# Altium PCB FMC_SDR_XFE.PcbDoc (part 1 of 4) (continued)
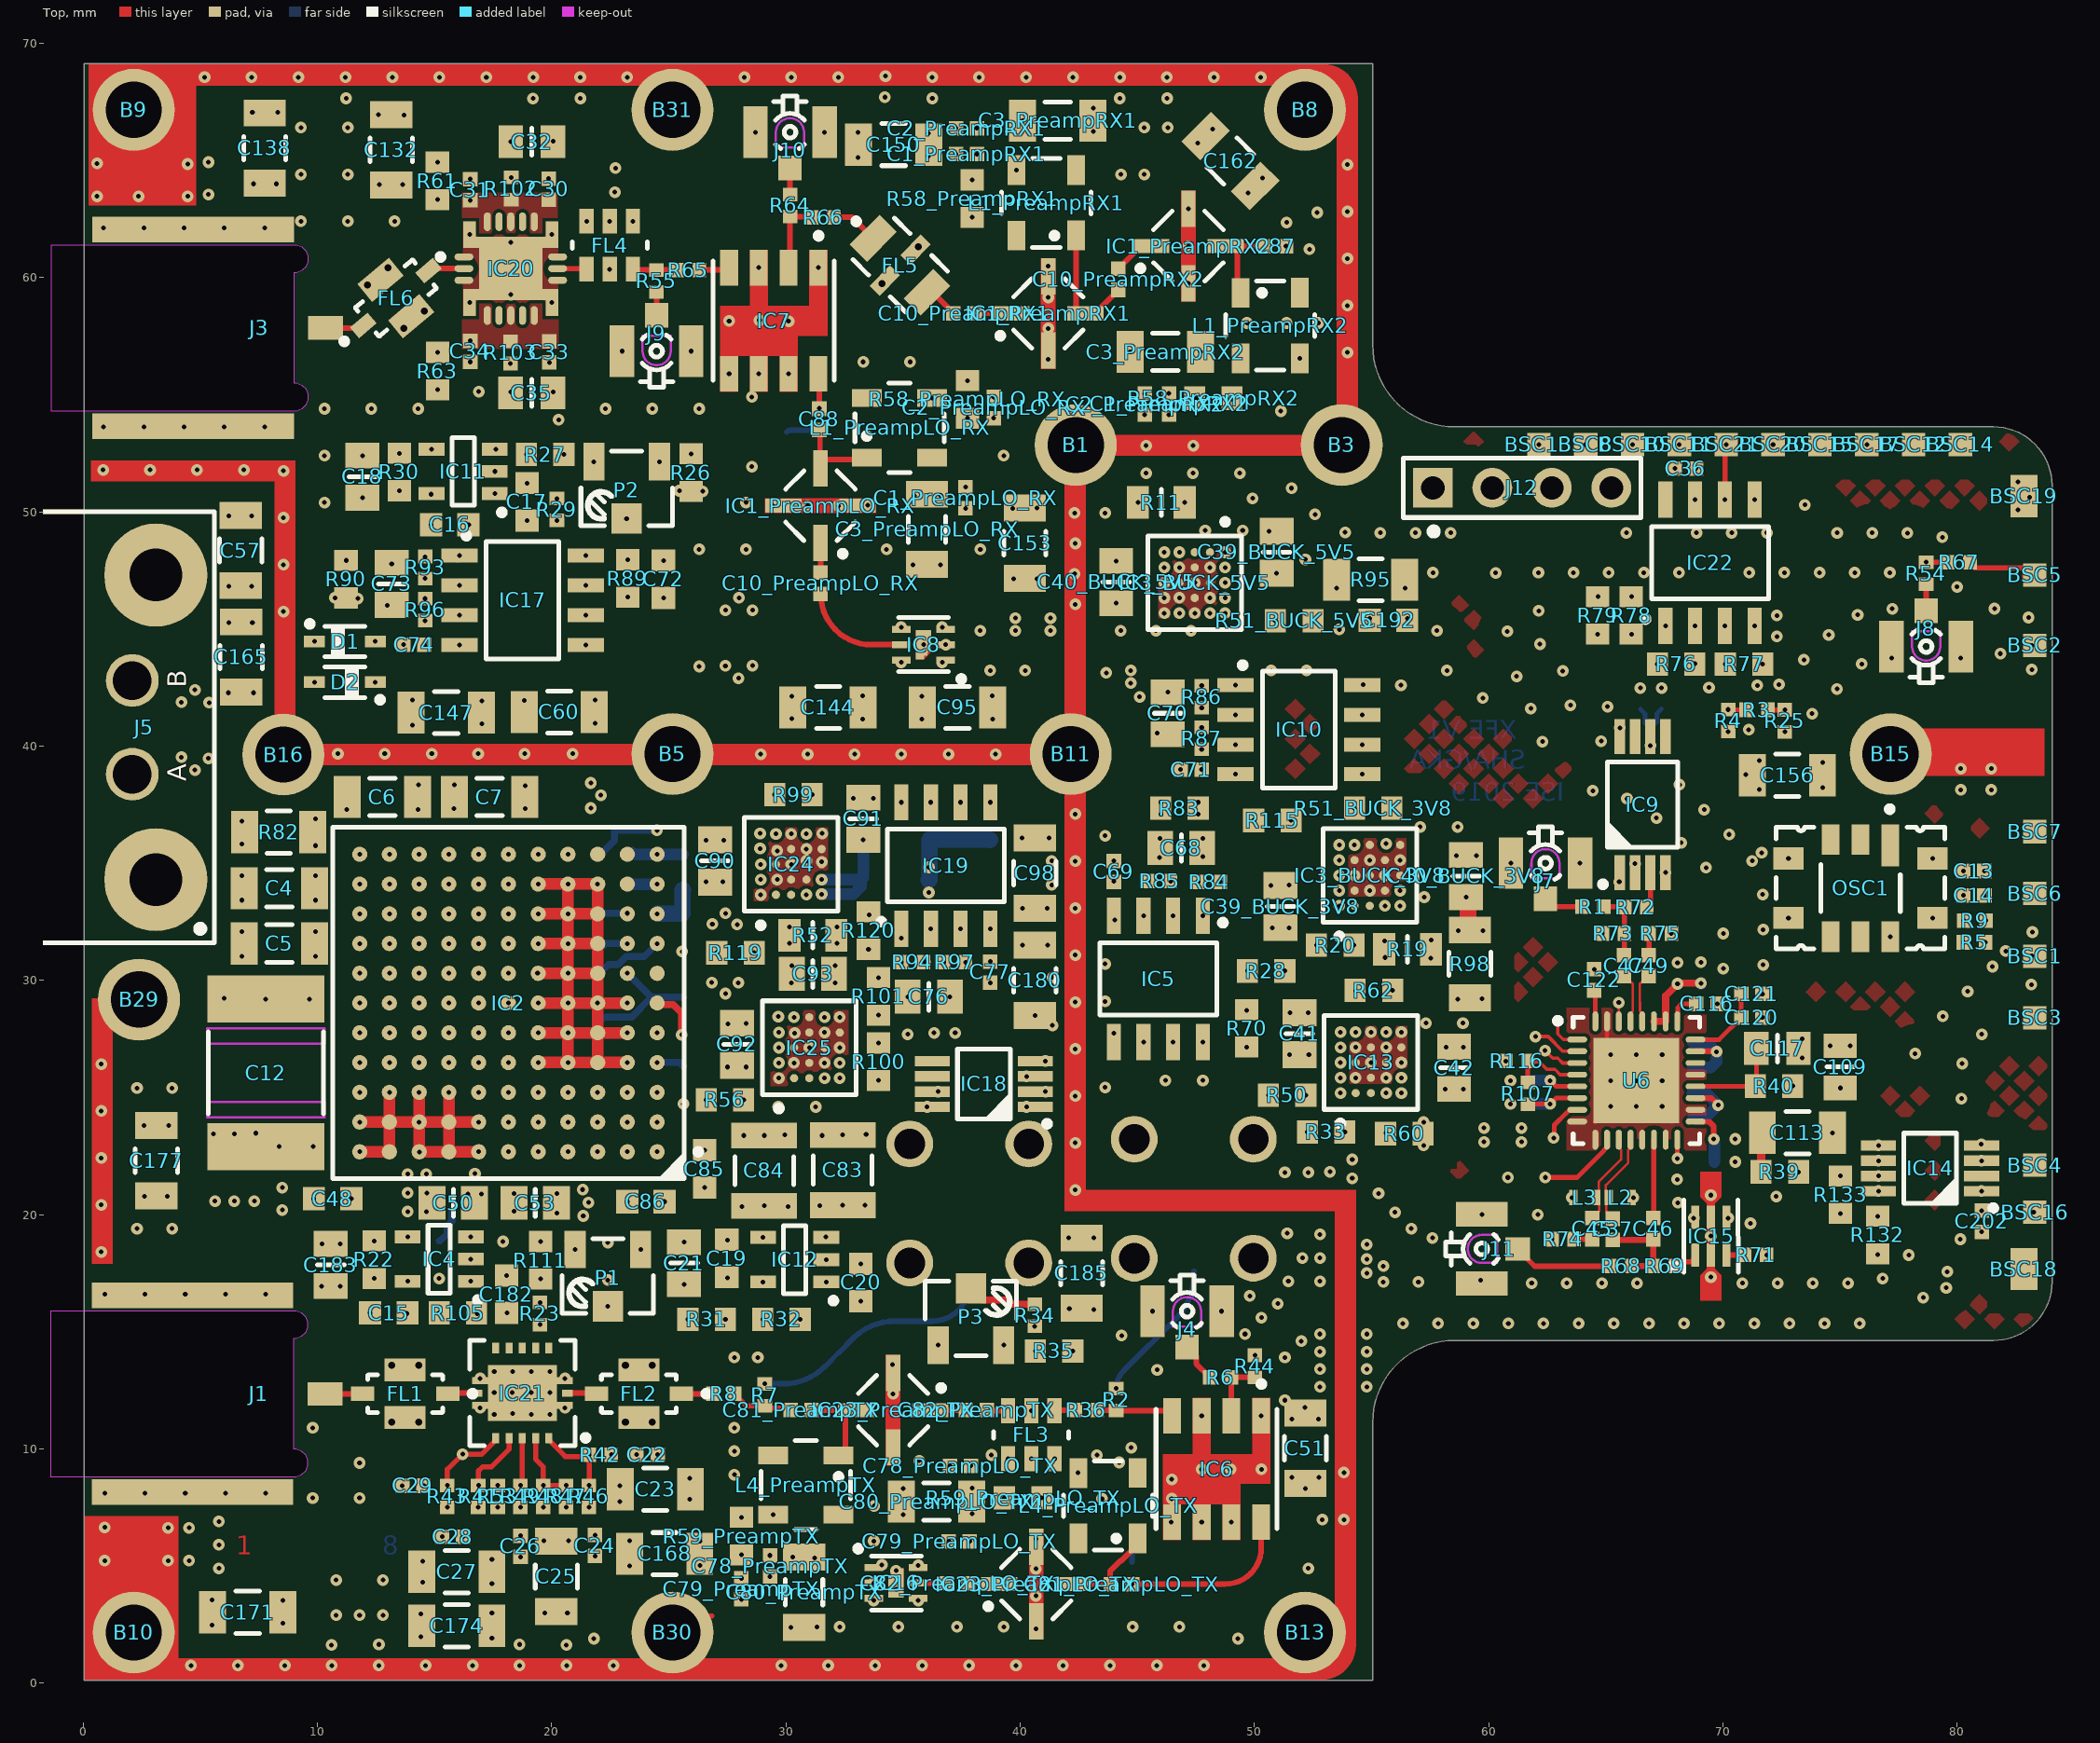
[diagram p0: Top view]
## Components (designator, comment, footprint, x,y, rotation, side; value= is the part's Value field where it differs from the comment) (continued)
C109 "33nF" CAPC2012X135N 75.007,26.304 r270 top
C110 "100pF" CAPC1005X55N 61.38,24.722 r0 bottom
C111 "100nF" CAPC1005X55N 68.25,25.175 r0 bottom
C112 "10pF" CAPC1005X55N 68.05,21.95 r270 bottom
C113 "1uF" CAPC3216X140N 73.182,23.491 r0 top
C114 "10pF" CAPC1005X55N 68.25,26.275 r0 bottom
C115 "100nF" CAPC1005X55N 68.25,27.375 r0 bottom
C116 "100nF" CAPC1005X55N 69.315,28.997 r0 top
C117 "6.8nF" CAPC2012X135N 72.326,27.092 r180 top
C118 "100pF" CAPC1005X55N 68.25,24.075 r0 bottom
C119 "100nF" CAPC1005X55N 61.38,25.722 r0 bottom
C120 "10pF" CAPC1005X55N 71.232,28.416 r180 top
C121 "100nF" CAPC1005X55N 71.232,29.422 r180 top
C122 "100nF" CAPC1005X55N 64.505,30.022 r90 top
C123 "100pF" CAPC1005X55N 68.062,30.3 r270 bottom
C124 "100nF" CAPC1005X55N 69.062,30.325 r270 bottom
C130 "1nF" CAPC1005X55N 80.154,38.586 r90 bottom
C131 "100pF" CAPC1005X55N 4.9,63.55 r180 bottom
C132 "1uF" CAPC3216X140N 13.15,65.45 r90 top
C133 "1nF" CAPC1005X55N 53.525,56.8 r0 bottom
C134 "100pF" CAPC1005X55N 9,51.75 r180 bottom
C136 "1nF" CAPC1005X55N 9,49.75 r180 bottom
C137 "100pF" CAPC1005X55N 81.454,38.586 r90 bottom
C138 "1uF" CAPC3216X140N 7.75,65.525 r90 top
C139 "1nF" CAPC1005X55N 49.375,52.325 r90 bottom
C140 "100pF" CAPC1005X55N 46.275,68.1 r90 bottom
C142 "1nF" CAPC1005X55N 44.25,68.1 r90 bottom
C143 "100pF" CAPC1005X55N 53.525,58.8 r0 bottom
C144 "1uF" CAPC3216X140N 31.8,41.65 r0 top
C145 "1nF" CAPC1005X55N 4.9,64.925 r180 bottom
C146 "100pF" CAPC1005X55N 13.2,68.1 r90 bottom
C147 "1uF" CAPC3216X140N 15.5,41.425 r180 top
C148 "1nF" CAPC1005X55N 11.225,68.1 r90 bottom
C149 "100pF" CAPC1005X55N 19.2,68.1 r90 bottom
C150 "1uF" CAPC3216X140N 34.6,65.675 r180 top
C151 "1nF" CAPC1005X55N 21.225,68.1 r90 bottom
C152 "100pF" CAPC1005X55N 34.225,68.1 r90 bottom
C153 "1uF" CAPC3216X140N 40.2,48.661 r90 top
C154 "1nF" CAPC1005X55N 36.25,68.1 r90 bottom
C155 "100pF" CAPC1005X55N 42.775,49.925 r180 bottom
C156 "1uF" CAPC3216X140N 72.75,38.75 r0 top
C158 "100pF" CAPC1005X55N 47.375,52.325 r90 bottom
C160 "1nF" CAPC1005X55N 53.525,62.8 r0 bottom
C161 "100pF" CAPC1005X55N 41.8,34.075 r0 bottom
C162 "1uF" CAPC3216X140N 48.975,64.975 r135 top
C163 "1nF" CAPC1005X55N 38.95,39.2 r90 bottom
C164 "100pF" CAPC1005X55N 33.925,39.175 r90 bottom
C165 "1uF" CAPC3216X140N 6.75,43.8 r270 top
C166 "1nF" CAPC1005X55N 11.85,39.2 r90 bottom
C167 "100pF" CAPC1005X55N 16.875,39.225 r90 bottom
C168 "1uF" CAPC3216X140N 24.825,5.525 r180 top
C169 "1nF" CAPC1005X55N 4.075,5.225 r180 bottom
C170 "100pF" CAPC1005X55N 4.075,6.625 r180 bottom
C171 "1uF" CAPC3216X140N 7.025,3.025 r180 top
C172 "1nF" CAPC1005X55N 20.625,1.175 r270 bottom
C173 "100pF" CAPC1005X55N 12.625,1.2 r270 bottom
C174 "1uF" CAPC3216X140N 15.95,2.45 r0 top
C175 "1nF" CAPC1005X55N 53.35,6.975 r0 bottom
C176 "100pF" CAPC1005X55N 47.85,1.175 r270 bottom
C177 "1uF" CAPC3216X140N 3.125,22.3 r90 top
C178 "1nF" CAPC1005X55N 8.05,48.625 r0 bottom
C179 "100pF" CAPC1005X55N 10.6,1.175 r270 bottom
C180 "1uF" CAPC3216X140N 40.63,30 r90 top
C181 "1nF" CAPC1005X55N 45.85,1.2 r270 bottom
C182 "1uF" CAPC1608X87N 18.075,16.6 r90 top
C183 "10uF" CAPC2012X95N 10.575,17.85 r270 top
C184 "100pF" CAPC1005X55N 35.8,1.2 r270 bottom
C185 "1uF" CAPC3216X140N 42.625,17.5 r90 top
C186 "1nF" CAPC1005X55N 6.85,51.35 r90 bottom
C187 "100pF" CAPC1005X55N 8.075,44.65 r0 bottom
C189 "1nF" CAPC1005X55N 13.925,39.175 r90 bottom
C190 "100pF" CAPC1005X55N 18.625,1.2 r270 bottom
C192 "1uF" CAPC1608X87N 55.725,45.375 r0 top
C193 "1nF" CAPC1005X55N 33.8,1.2 r270 bottom
C194 "100pF" CAPC1005X55N 41.825,28.075 r0 bottom
C196 "1nF" CAPC1005X55N 32,39.175 r90 bottom
C198 "1nF" CAPC1005X55N 15.875,40.15 r270 bottom
C199 "100pF" CAPC1005X55N 30.925,40.1 r270 bottom
C200 "100pF" CAPC1005X55N 70.075,22.25 r180 bottom
C201 "100nF" CAPC1005X55N 70.075,23.225 r180 bottom
C202 "100nF" CAPC1005X55N 81.051,19.715 r90 top
C203 "100nF" CAPC1005X55N 36.775,27.76 r180 bottom
C204 "1nF" CAPC1005X55N 34.925,40.1 r270 bottom
C205 "100pF" CAPC1005X55N 42.85,33.1 r180 bottom
C206 "1nF" CAPC1005X55N 42.8,43.45 r180 bottom
C207 "100pF" CAPC1005X55N 12.875,40.125 r270 bottom
C208 "1nF" CAPC1005X55N 20.9,40.125 r270 bottom
C209 "100pF" CAPC1005X55N 18.85,40.125 r270 bottom
C210 "1nF" CAPC1005X55N 9.025,45.75 r180 bottom
C211 "100pF" CAPC1005X55N 42.85,27.075 r180 bottom
C212 "1nF" CAPC1005X55N 28.925,40.1 r270 bottom
C213 "100pF" CAPC1005X55N 42.825,44.85 r180 bottom
C214 "1nF" CAPC1005X55N 9.05,43.55 r180 bottom
C215 "1nF" CAPC1005X55N 42.925,36.175 r180 bottom
C216 "1nF" CAPC1005X55N 42.8,48.65 r180 bottom
C217 "1nF" CAPC1005X55N 42.85,29.1 r180 bottom
C218 "1nF" CAPC1005X55N 41.8,35.1 r0 bottom
C219 "1nF" CAPC1005X55N 41.825,30.125 r0 bottom
D1 "BAT165" SOD2512X110N 11.175,44.465 r0 top
D2 "BAT165" SOD2512X110N 11.175,42.725 r180 top
FL1 "DC to 12000MHz" FIL_MINI-CIRCUITS_FV1206-4 13.748,12.352 r180 top
FL2 "DC to 12000MHz" FIL_MINI-CIRCUITS_FV1206-4 23.725,12.352 r180 top
FL3 "7900 to 11000 MHz" FIL_MINI-CIRCUITS_FV1206-1 40.475,10.6 r270 top
FL4 "5000 to 10100 MHz" FIL_MINI-CIRCUITS_FV1206-1 22.481,61.382 r90 top
FL5 "DC to 2400MHz" FIL_MINI-CIRCUITS_FV1206 34.875,60.525 r315 top
FL6 "8250 to 8450MHz" FIL_MINI-CIRCUITS_FV1206-4 13.35,59.125 r40 top
IC1_PreampLO_RX "LEE-39+" MINI-CIRCUITS_FG873 31.476,50.261 r90 top (schematic designator IC1)
IC1_PreampRX1 "LEE-39+" MINI-CIRCUITS_FG873 41.2,58.465 r0 top (schematic designator IC1)
IC1_PreampRX2 "LEE-39+" MINI-CIRCUITS_FG873 47.183,61.342 r0 top (schematic designator IC1)
IC2 "LTM8056IY#PBF" BGA121C127P11X11_1500X1500X512 18.155,29.03 r180 top
IC3_BUCK_3V8 "LTM8074IY#PBF" BGA25C65P5X5_400X400X198 54.924,34.48 r90 top (schematic designator IC3)
IC3_BUCK_5V5 "LTM8074IY#PBF" BGA25C65P5X5_400X400X198 47.452,46.973 r270 top (schematic designator IC3)
IC4 "LT1964ES5-BYP#TRMPBF" SOT95P280X100-5N 15.2,18.1 r180 top
IC5 "LT1763CS8#PBF" SOIC127P600X175-8N 45.899,30.059 r270 top
IC6 "SIM-153+" MINI-CIRCUITS_HV1195 48.385,9.14 r270 top
IC7 "SIM-153+" MINI-CIRCUITS_HV1195 29.481,58.157 r270 top
IC8 "YAT-3+" MINI-CIRCUITS_MC1630 35.875,44.325 r180 top
IC9 "CDCLVC1102PW" SOP65P640X120-8N 66.575,37.5 r90 top
IC10 "LT1763CS8#PBF" SOIC127P600X175-8N 51.9,40.7 r0 top
IC11 "LT1964ES5-BYP#TRMPBF" SOT95P280X100-5N 16.225,51.725 r180 top
IC12 "LT1964ES5-BYP#TRMPBF" SOT95P280X100-5N 30.375,18.075 r180 top
IC13 "LTM8074IY#PBF" BGA25C65P5X5_400X400X198 54.973,26.49 r90 top
IC14 "LTC2851CMS8#PBF" SOP65P490X110-8N 78.84,21.974 r180 top
IC15 "QCS-83+" MINI-CIRCUITS_GE0805C-1 69.485,19.079 r90 top
IC16 "YAT-3+" MINI-CIRCUITS_MC1630 34.7,4.275 r0 top
IC17 "LT1763CS8#PBF" SOIC127P600X175-8N 18.759,46.226 r0 top
IC18 "LTC2851CMS8#PBF" SOP65P490X110-8N 38.45,25.575 r180 top
IC19 "LT1763CS8#PBF" SOIC127P600X175-8N 36.825,34.9 r90 top
IC20 "QPA2609" QORVO_QPA2609 18.256,60.382 r0 top
IC21 "TGA3042-SM" QORVO_TGA3042-SM 18.748,12.377 r180 top
IC22 "INA105KU" SOIC127P600X175-8N 69.45,47.825 r90 top
IC23_PreampLO_TX "LEE-39+" MINI-CIRCUITS_FG873 40.69,4.225 r0 top (schematic designator IC23)
IC23_PreampTX "LEE-39+" MINI-CIRCUITS_FG873 34.575,11.65 r180 top (schematic designator IC23)
IC24 "LTM8074IY#PBF" BGA25C65P5X5_400X400X198 30.225,34.953 r90 top
IC25 "LTM8074IY#PBF" BGA25C65P5X5_400X400X198 31,27.125 r90 top
IC26 "LT3080EDD#PBF" SON50P300X300X80-9N-R175X248 14.25,20.929 r180 bottom
J1 "SMA" TELEGARTNER_J01151A0451 10.325,12.35 r180 top
J2 "Coax_1Male_1Shield" ROSENBERGER_19S103-400L5 47.412,20.675 r180 bottom
J3 "SMA" TELEGARTNER_J01151A0451 10.35,57.85 r180 top
J4 "U.FL" HIROSE_U.FL-R-SMT-1(10) 47.125,15.875 r0 top
J5 "M80-5000000M5-02-333-00-000" M80-5000000M5-02-333-00-000 3.1,40.8 r90 top locked
J6 "Coax_1Male_1Shield" ROSENBERGER_19S103-400L5 37.825,20.475 r180 bottom
J7 "U.FL" HIROSE_U.FL-R-SMT-1(10) 62.425,35 r0 top
J8 "U.FL" HIROSE_U.FL-R-SMT-1(10) 78.675,44.25 r180 top
J9 "U.FL" HIROSE_U.FL-R-SMT-1(10) 24.481,56.857 r180 top
J10 "U.FL" HIROSE_U.FL-R-SMT-1(10) 30.175,66.204 r0 top
J11 "U.FL" HIROSE_U.FL-R-SMT-1(10) 59.708,18.536 r90 top
J12 "Header 4" SAMTEC_HW-04-15-L-S-400-150 61.425,51.025 r0 top
J13 "U.FL" HIROSE_U.FL-R-SMT-1(10) 28.5,53.4 r270 bottom
J14 "U.FL" HIROSE_U.FL-R-SMT-1(10) 44.975,7.775 r180 bottom
L1_PreampLO_RX "0.5uH@200mA" IND_MINI-CIRCUITS_GU1604 34.853,53.586 r90 top (schematic designator L1)
L1_PreampRX1 "0.5uH@200mA" IND_MINI-CIRCUITS_GU1604 41.114,63.187 r180 top (schematic designator L1)
L1_PreampRX2 "0.5uH@200mA" IND_MINI-CIRCUITS_GU1604 50.675,57.95 r0 top (schematic designator L1)
L2 "15nH" IND_COILCRAFT_0402DC 65.62,20.729 r0 top
L3 "15nH" IND_COILCRAFT_0402DC 64.095,20.729 r180 top
L4_PreampLO_TX "0.5uH@200mA" IND_MINI-CIRCUITS_GU1604 43.75,7.575 r180 top (schematic designator L4)
L4_PreampTX "0.5uH@200mA" IND_MINI-CIRCUITS_GU1604 30.846,8.455 r270 top (schematic designator L4)
OSC1 "20MHZ" OSC_KYOCERA_KT7050A 75.872,33.935 r270 top
P1 "50k" TRIM_BOURNS_3223W 22.4,17.375 r180 top
P2 "50k" TRIM_BOURNS_3223W 23.2,51 r180 top
P3 "50k" TRIM_BOURNS_3223W 37.9,15.565 r0 top
R1 "0" RESC1005X40N 64.448,33.147 r0 top
R2 "Undefined" RESC1005X40N 44.1,12.1 r270 top
R3 "Undefined" RESC1005X40N 71.453,41.547 r0 top
R4 "Undefined" RESC1005X40N 70.228,41.088 r90 top
R5 "Undefined" RESC1005X40N 80.738,31.623 r180 top
R6 "Undefined" RESC1005X40N 48.55,13.05 r0 top
R7 "Undefined" RESC1005X40N 29.1,12.3 r270 top
R8 "0" RESC1005X40N 27.35,12.35 r0 top
R9 "0" RESC1005X40N 80.758,32.548 r0 top
R10 "Undefined" RESC3216X65N 28,44.625 r90 bottom
R11 "40k2" RESC2012X60N 46.025,50.4 r180 top
R12 "0" RESC1608X55N 25.625,25.525 r270 bottom
R13 "100k" RESC1608X55N 25.575,32.025 r270 bottom
R14 "42k2" RESC1608X55N 21.325,30.325 r0 bottom
R15 "6k19" RESC1608X55N 25.6,34.665 r270 bottom
R16 "0" RESC1608X55N 21.325,31.575 r0 bottom
R17 "Undefined" RESC1608X55N 25.6,28.475 r90 bottom
R18 "Undefined" RESC1608X55N 21.925,27.325 r90 bottom
R19 "62k" RESC2012X60N 56.538,31.325 r0 top
R20 "0" RESC1608X55N 53.45,31.5 r0 top
R21 "0" RESC3216X65N 4.776,40.685 r90 bottom
R22 "Undefined" RESC1608X55N 12.425,18.075 r270 top
R23 "10k" RESC1005X40N 19.5,15.775 r270 top
R24 "Undefined" RESC1608X55N 22.4,18 r90 bottom
R25 "Undefined" RESC1005X40N 72.644,41.077 r90 top
R26 "0" RESC1608X55N 25.95,51.675 r270 top
R27 "Undefined" RESC1608X55N 19.725,52.45 r180 top
R28 "Undefined" RESC1608X55N 50.5,30.4 r0 top
R29 "10k" RESC1005X40N 20.225,50.1 r270 top
R30 "Undefined" RESC1608X55N 13.5,51.7 r90 top
R31 "0" RESC1608X55N 26.618,15.53 r180 top
R32 "Undefined" RESC1608X55N 29.809,15.53 r180 top
R33 "0" RESC1608X55N 53.06,23.525 r0 top
R34 "10k" RESC1005X40N 40.625,15.7 r90 top
R35 "Undefined" RESC1608X55N 41.45,14.175 r180 top
R36 "0" RESC1005X40N 42.825,11.65 r0 top
R37 "0" RESC3216X65N 6.45,22.025 r270 bottom
R38 "Undefined" RESC3216X65N 27.425,31.15 r90 bottom
R39 "68" RESC1608X55N 72.427,21.822 r180 top
R40 "430" RESC1608X55N 72.18,25.485 r0 top
R41 "27k" RESC1005X40N 16.864,7.971 r90 top
R42 "5R1" RESC1005X40N 22.075,9.75 r180 top
R43 "27k" RESC1005X40N 15.548,7.971 r90 top
R44 "0" RESC1005X40N 50.025,13.525 r90 top
R45 "1M" RESC1005X40N 6.225,46.35 r270 bottom
R46 "5R1" RESC1005X40N 21.595,7.971 r90 top
R47 "5R1" RESC1005X40N 20.621,7.971 r90 top
R48 "5R1" RESC1005X40N 19.646,7.971 r90 top
R49 "5R1" RESC1005X40N 18.672,7.971 r90 top
R50 "Undefined" RESC1608X55N 51.395,25.1 r0 top
R51_BUCK_3V8 "18k" RESC1608X55N 55.071,37.35 r180 top (schematic designator R51)
R51_BUCK_5V5 "18k" RESC1608X55N 51.7,45.35 r180 top (schematic designator R51)
R52 "40k2" RESC2012X60N 31.15,31.925 r0 top
R53 "5R1" RESC1005X40N 17.698,7.971 r90 top
R54 "Undefined" RESC1005X40N 78.675,47.375 r90 top
R55 "Undefined" RESC1005X40N 24.481,59.857 r90 top
R56 "0" RESC1608X55N 27.4,24.9 r180 top
R57 "Undefined" RESC1608X55N 30.475,24.6 r180 bottom
R58_PreampLO_RX "43" RESC1608X55N 37.75,54.8 r270 top (schematic designator R58)
R58_PreampRX1 "43" RESC1608X55N 37.958,63.37 r90 top (schematic designator R58)
R58_PreampRX2 "43" RESC1608X55N 48.25,54.85 r180 top (schematic designator R58)
R59_PreampLO_TX "43" RESC1608X55N 40.125,7.9 r180 top (schematic designator R59)
R59_PreampTX "43" RESC1608X55N 28.1,6.275 r270 top (schematic designator R59)
R60 "45k3" RESC1608X55N 56.4,23.453 r0 top
R61 "0" RESC1608X55N 15.125,64.125 r270 top
R62 "18k" RESC1608X55N 55.1,29.572 r180 top
R63 "0" RESC1608X55N 15.131,56.007 r90 top
R64 "Undefined" RESC1005X40N 30.175,63.08 r270 top
R65 "0" RESC1005X40N 25.831,60.327 r0 top
R66 "0" RESC1005X40N 31.59,62.572 r0 top
R67 "0" RESC1005X40N 80.075,47.85 r0 top
R68 "Undefined" RESC1005X40N 65.65,17.8 r0 top
R69 "0" RESC1005X40N 67.5,17.8 r0 top
R70 "0" RESC1608X55N 49.675,27.95 r90 top
R71 "49R9" RESC1005X40N 71.4,18.279 r180 top
R72 "0" RESC1005X40N 66.275,33.125 r180 top
R73 "49R9" RESC1005X40N 65.325,32 r0 top
R74 "49R9" RESC1005X40N 63.175,18.95 r0 top
R75 "49R9" RESC1005X40N 67.325,32 r180 top
R76 "75k" RESC1608X55N 68,43.5 r0 top
R77 "75k" RESC1608X55N 70.9,43.5 r180 top
R78 "2k7" RESC1608X55N 66.086,45.575 r90 top
R79 "510" RESC1608X55N 64.65,45.575 r270 top
R80 "0" RESC3216X65N 34.65,34.275 r0 bottom
R81 "Undefined" RESC3216X65N 20.45,37.825 r180 bottom
R82 "0" RESC3216X65N 8.35,36.325 r0 top
R83 "0" RESC1608X55N 46.799,37.344 r0 top
R84 "22k" RESC1005X40N 48.074,34.205 r0 top
R85 "12k" RESC1005X40N 45.95,34.234 r0 top
R86 "22k" RESC1005X40N 47.75,42.1 r90 top
R87 "12k" RESC1005X40N 47.75,40.33 r90 top
R88 "0" RESC1608X55N 61.62,21.584 r0 bottom
R89 "0" RESC1608X55N 23.248,47.154 r90 top
R90 "0" RESC1608X55N 11.225,47.125 r270 top
R91 "0" RESC1608X55N 38.725,36.8 r90 bottom
R92 "0" RESC1608X55N 35.2,28.5 r270 bottom
R93 "38k3" RESC1005X40N 14.597,47.624 r90 top
R94 "38k3" RESC1005X40N 35.4,30.775 r180 top
R95 "0" RESC3216X65N 54.963,47.1 r0 top
R96 "12k" RESC1005X40N 14.597,45.824 r90 top
R97 "12k" RESC1005X40N 37.2,30.775 r180 top
R98 "0" RESC3216X65N 59.2,30.7 r270 top
R99 "18k" RESC1608X55N 30.325,37.925 r180 top
R100 "45k3" RESC1608X55N 33.957,26.525 r90 top
R101 "18k" RESC1608X55N 33.95,29.314 r90 top
R102 "0.1" RESC1005X40N 18.275,63.8 r270 top
R103 "0.1" RESC1005X40N 18.241,56.8 r90 top
R104 "Undefined" RESC1005X40N 31.425,53.95 r90 bottom
R105 "0" RESC1608X55N 15.997,15.8 r180 top
R106 "Undefined" RESC1005X40N 44.775,4.7 r270 bottom
R107 "0" RESC1005X40N 61.675,25.175 r90 top
R108 "Undefined" RESC3216X65N 14.35,23.775 r0 bottom
R109 "49k9" RESC1608X55N 15.2,18.075 r90 bottom
R110 "499" RESC1608X55N 18.725,18.85 r180 bottom
R111 "1k96" RESC1608X55N 19.525,18.05 r90 top
R112 "0" RESC3216X65N 9.95,20.675 r0 bottom
R113 "0" RESC1608X55N 55.453,42.6 r180 bottom
R114 "0" RESC3216X65N 19.875,20.5 r0 bottom
R115 "0" RESC1608X55N 50.768,36.825 r0 top
R116 "Undefined" RESC1005X40N 61.2,26.55 r0 top
R117_BUCK_3V8 "0" RESC1608X55N 57.875,36.55 r180 bottom (schematic designator R117)
R117_BUCK_5V5 "0" RESC1608X55N 48.7,49.2 r180 bottom (schematic designator R117)
R118 "0" RESC1608X55N 58.1,28.175 r180 bottom
R119 "0" RESC1608X55N 27.85,31.175 r0 top
R120 "0" RESC1608X55N 33.525,32.125 r270 top
R125 "0" RESC1608X55N 60.6,23.425 r0 bottom
R132 "0" RESC1608X55N 76.599,19.128 r270 top
R133 "0" RESC1608X55N 75.022,20.846 r90 top
R142 "0" RESC1608X55N 40.175,26.675 r90 bottom
R150 "Undefined" RESC1608X55N 21.3,35.35 r180 bottom
U6 "ADF5356" ADF3356 66.305,25.722 r0 top

## Footprints (in the part's own frame and the unit in brackets; to place one, negate y for a bottom-side part, rotate by r counter-clockwise, add the part's x,y. Pads: shape width x height; smd on the part's side, far side on the other; paste and mask are expansions set on the pad)
ADF3356 [mm] "QFN, 32-Leads, Body 5,00x5,00mm, Pitch 0,50mm, Thermal Pad 3,65x3,65mm, IPC Low Density"
  oval 0.85x0.25 smd: 1(-2.525,1.75) 2(-2.525,1.25) 3(-2.525,0.75) 4(-2.525,0.25) 5(-2.525,-0.25) 6(-2.525,-0.75) 7(-2.525,-1.25) 8(-2.525,-1.75) 17(2.525,-1.75) 18(2.525,-1.25) 19(2.525,-0.75) 20(2.525,-0.25) 21(2.525,0.25) 22(2.525,0.75) 23(2.525,1.25) 24(2.525,1.75)
  oval 0.25x0.85 smd: 9(-1.75,-2.525) 10(-1.25,-2.525) 11(-0.75,-2.525) 12(-0.25,-2.525) 13(0.25,-2.525) 14(0.75,-2.525) 15(1.25,-2.525) 16(1.75,-2.525) 25(1.75,2.525) 26(1.25,2.525) 27(0.75,2.525) 28(0.25,2.525) 29(-0.25,2.525) 30(-0.75,2.525) 31(-1.25,2.525) 32(-1.75,2.525)
  rect 3.65x3.65 smd: 33(0,0)
  silkscreen extent -3.47,-2.7 2.7,2.7, body extent -2.55,-2.55 2.55,2.55, height 0.8
BGA25C65P5X5_400X400X198 [mm] "BGA, 0.65mm Pitch, Square; 25 Pin, 5 Columns X 5 Rows, 4.00mm X 4.00mm X 1.98mm H"
  round 0.35 smd: A1(-1.3,1.3) A2(-0.65,1.3) A3(0,1.3) A4(0.65,1.3) A5(1.3,1.3) B1(-1.3,0.65) B2(-0.65,0.65) B3(0,0.65) B4(0.65,0.65) B5(1.3,0.65) C1(-1.3,0) C2(-0.65,0) C3(0,0) C4(0.65,0) C5(1.3,0) D1(-1.3,-0.65) D2(-0.65,-0.65) D3(0,-0.65) D4(0.65,-0.65) D5(1.3,-0.65) E1(-1.3,-1.3) E2(-0.65,-1.3) E3(0,-1.3) E4(0.65,-1.3) E5(1.3,-1.3)
  silkscreen extent -2.72,-2 2,2, body extent -2,-2 2,2, height 1.98
BGA121C127P11X11_1500X1500X512 [mm] "BGA,1.27mm Pitch, Square;121 Pin, 11 Columns X 11 Rows, 15.00mm X 15.00mm X 5.12mm H"
  round 0.65 smd: A1(-6.35,6.35) A2(-5.08,6.35) A3(-3.81,6.35) A4(-2.54,6.35) A5(-1.27,6.35) A6(0,6.35) A7(1.27,6.35) A8(2.54,6.35) A9(3.81,6.35) A10(5.08,6.35) A11(6.35,6.35) B1(-6.35,5.08) B2(-5.08,5.08) B3(-3.81,5.08) B4(-2.54,5.08) B5(-1.27,5.08) B6(0,5.08) B7(1.27,5.08) B8(2.54,5.08) B9(3.81,5.08) B10(5.08,5.08) B11(6.35,5.08) C1(-6.35,3.81) C2(-5.08,3.81) C3(-3.81,3.81) C4(-2.54,3.81) C5(-1.27,3.81) C6(0,3.81) C7(1.27,3.81) C8(2.54,3.81) C9(3.81,3.81) C10(5.08,3.81) C11(6.35,3.81) D1(-6.35,2.54) D2(-5.08,2.54) D3(-3.81,2.54) D4(-2.54,2.54) D5(-1.27,2.54) D6(0,2.54) D7(1.27,2.54) D8(2.54,2.54) D9(3.81,2.54) D10(5.08,2.54) D11(6.35,2.54) E1(-6.35,1.27) E2(-5.08,1.27) E3(-3.81,1.27) E4(-2.54,1.27) E5(-1.27,1.27) E6(0,1.27) E7(1.27,1.27) E8(2.54,1.27) E9(3.81,1.27) E10(5.08,1.27) E11(6.35,1.27) F1(-6.35,0) F2(-5.08,0) F3(-3.81,0) F4(-2.54,0) F5(-1.27,0) F6(0,0) F7(1.27,0) F8(2.54,0) F9(3.81,0) F10(5.08,0) F11(6.35,0) G1(-6.35,-1.27) G2(-5.08,-1.27) G3(-3.81,-1.27) G4(-2.54,-1.27) G5(-1.27,-1.27) G6(0,-1.27) G7(1.27,-1.27) G8(2.54,-1.27) G9(3.81,-1.27) G10(5.08,-1.27) G11(6.35,-1.27) H1(-6.35,-2.54) H2(-5.08,-2.54) H3(-3.81,-2.54) H4(-2.54,-2.54) H5(-1.27,-2.54) H6(0,-2.54) H7(1.27,-2.54) H8(2.54,-2.54) H9(3.81,-2.54) H10(5.08,-2.54) H11(6.35,-2.54) J1(-6.35,-3.81) J2(-5.08,-3.81) J3(-3.81,-3.81) J4(-2.54,-3.81) J5(-1.27,-3.81) J6(0,-3.81) J7(1.27,-3.81) J8(2.54,-3.81) J9(3.81,-3.81) J10(5.08,-3.81) J11(6.35,-3.81) K1(-6.35,-5.08) K2(-5.08,-5.08) K3(-3.81,-5.08) K4(-2.54,-5.08) K5(-1.27,-5.08) K6(0,-5.08) K7(1.27,-5.08) K8(2.54,-5.08) K9(3.81,-5.08) K10(5.08,-5.08) K11(6.35,-5.08) L1(-6.35,-6.35) L2(-5.08,-6.35) L3(-3.81,-6.35) L4(-2.54,-6.35) L5(-1.27,-6.35) L6(0,-6.35) L7(1.27,-6.35) L8(2.54,-6.35) L9(3.81,-6.35) L10(5.08,-6.35) L11(6.35,-6.35)
  silkscreen extent -8.23,-7.5 7.5,7.5, body extent -7.5,-7.5 7.5,7.5, height 5.21
CAPC1005X55N [mm] "Capacitor, Non-Polarized, Chip; 1.00mm L X 0.50mm W X 0.70mm H, IPC Medium Density"
  rect 0.62x0.62 smd: 1(-0.45,0) 2(0.45,0)
  body extent -0.52,-0.27 0.53,0.28, height 0.55
CAPC1608X87N [mm] "Chip Capacitor, Body 1.6x0.8mm IPC Medium Density"
  rect 0.95x1 smd: 1(-0.8,0) 2(0.8,0)
  body extent -0.87,-0.47 0.88,0.48, height 0.87
CAPC1608X90N [mm] "Chip Capacitor, Body 1.6x0.8mm IPC Medium Density"
  rect 0.95x0.95 smd: 1(-0.75,0) 2(0.75,0)
  body extent -0.85,-0.45 0.85,0.45, height 0.9
CAPC2012X95N [mm] "Chip Capacitor, Body 2.0x1.25mm, IPC Medium Density"
  rect 1.1x1.45 smd: 1(-0.9,0) 2(0.9,0)
  silkscreen extent 0,-0.58 0,0.58, body extent -1.05,-0.67 1.05,0.68, height 0.95
CAPC2012X110N [mm] "Chip Capacitor, Body 2.0x1.25mm, IPC Medium Density"
  rect 1.15x1.45 smd: 1(-0.9,0) 2(0.9,0)
  silkscreen extent 0,-0.58 0,0.58, body extent -1.05,-0.67 1.05,0.68, height 1.1
CAPC2012X135N [mm] "Chip Capacitor, Body 2.0x1.25mm, IPC Medium Density"
  rect 1.05x1.4 smd: 1(-0.9,0) 2(0.9,0)
  silkscreen extent 0,-0.58 0,0.58, body extent -1.05,-0.67 1.05,0.68, height 1.25
CAPC2012X140N [mm] "Chip Capacitor, Body 2.0x1.25mm, IPC Medium Density"
  rect 1.15x1.45 smd: 1(-0.9,0) 2(0.9,0)
  silkscreen extent 0,-0.58 0,0.58, body extent -1.05,-0.67 1.05,0.68, height 1.3
CAPC3216X140N [mm] "Chip Capacitor, Body 3.2x1.6mm, IPC Medium Density"
  rect 1.15x1.8 smd: 1(-1.5,0) 2(1.5,0)
  silkscreen extent -0.5,-0.9 0.5,0.9, body extent -1.7,-0.9 1.7,0.9, height 1.4
CAPC3216X180N [mm] "Chip Capacitor, Body 3.2x1.6mm, IPC Medium Density"
  rect 1.15x1.8 smd: 1(-1.5,0) 2(1.5,0)
  silkscreen extent -0.55,-0.8 0.55,0.8, body extent -1.7,-0.9 1.7,0.9, height 1.8
CAPC3225X280N [mm] "Chip Capacitor, Body 3.2x2.5mm, IPC Medium Density"
  rect 1.1x2.8 smd: 1(-1.5,0) 2(1.5,0)
  silkscreen extent -0.6,-1.25 0.6,1.25, body extent -1.7,-1.35 1.7,1.35, height 2.8
CAPC_TDK_CKG57N [mm] "Multilayer Ceramic Chip Capacitors - Stacked Cap - TDK CKG57N Serie"
  rect 2x5 smd: 1(-3.15,0) 2(3.15,0)
  Top keep-out lines w0.1: 1.9,-2.5 1.9,2.5 1.25,2.5 1.25,-2.5 1.9,-2.5 ; -1.25,-2.5 -1.25,2.5 -1.9,2.5 -1.9,-2.5 -1.25,-2.5
  silkscreen extent -1.75,-2.45 1.75,2.45, body extent -3.25,-2.5 3.25,2.5, height 5.5
FIL_MINI-CIRCUITS_FV1206 [mm] "MINI-CIRCUITS Case FV1206 - Body 3.2x1.6mm"
  rect 1.04x1.8 smd: 1(-1.625,0) 3(1.625,0)
  rect 0.61x1.245 smd: 2(0,-0.928) 4(0,0.927)
  silkscreen extent -2.77,-1.25 1.6,1.25, body extent -1.6,-0.8 1.6,0.8, height 0.94
FIL_MINI-CIRCUITS_FV1206-1 [mm] "MINI-CIRCUITS Case FV1206-1 Body 3.2x1.6mm"
  rect 1.07x0.61 smd: 1(-1.025,0.99) 2(-1.025,0) 3(-1.025,-0.99) 4(1.025,-0.99) 5(1.025,0) 6(1.025,0.99)
  silkscreen extent -0.14,-1.6 0.14,1.6, body extent -0.8,-1.6 0.8,1.6, height 0.89
FIL_MINI-CIRCUITS_FV1206-4 [mm] "MINI-CIRCUITS Case FV1206-4 - Body 3.2x1.6mm"
  rect 0.99x0.61 smd: 1(-1.815,0) 3(1.815,0)
  rect 1.75x0.99 smd: 2(0,-1.015) 4(0,1.015)
  silkscreen extent -3,-0.8 1.6,0.8, body extent -1.6,-0.8 1.6,0.8, height 1.04
HIROSE_U.FL-R-SMT-1(10) [mm] "Up to 6GHz Ultra Small Surface Mount Male Coaxial Connectors U.FL Series"
  rect 1x1.05 smd: 1(0,-1.525)
  rect 1.05x2.2 smd: 2(-1.475,0) 2(1.475,0)
  Top keep-out lines w0.1: -0.6,-0.65 0.6,-0.65 0.6,0 ccw(c0,0) -0.6,0 -0.6,-0.65
  silkscreen extent -0.7,-0.69 0.7,1.55, body extent -1.5,-1.55 1.5,1.55, height 1.25
IND_COILCRAFT_0402DC [mm] "Chip Inductor, Body Width 0.66mm Body Lenght 1.11mm Height 0.65mm"
  rect 0.36x0.66 smd: 1(-0.485,0) 2(0.485,0)
  body extent -0.56,-0.33 0.56,0.33, height 0.66
IND_MINI-CIRCUITS_GU1604 [mm] "MINI-CIRCUITS RF Choke, Case GU1041 - Body 3.81X3.81mm"
  rect 0.76x1.27 smd: 1(-1.27,1.394) 2(1.27,1.396) 3(1.27,-1.394) 4(-1.27,-1.396)
  silkscreen extent -1.91,-1.91 1.91,1.91, body extent -1.9,-1.9 1.91,1.91, height 3.81
M80-5000000M5-02-333-00-000 [mm] "2pin (2 power), THT socket with M2 jackscrews (H=6.05mm, W=18mm, D=8.6mm)"
  round 2.25 hole 1.65: A(-2,1) B(2,1)
  round 4.4 hole 2.25: M1(-6.5,0) M2(6.5,0)
  silkscreen extent -9.2,-2.5 9.2,7.3, body extent -9,-2 9,7.1, height 6.08
MINI-CIRCUITS_FG873 [mm] "MINI-CIRCUITS FG873 Case, 4 pin, 3.0mm W X 3.0mm L"
  rect 1.55x0.61 smd: 1(-1.585,0) 3(1.585,0)
  rect 0.61x1.55 smd: 2(0,-1.585) 4(0,1.585)
  Top region: -0.305,2.36 -0.305,-2.36 0.305,-2.36 0.305,2.36
  silkscreen extent -2.17,-1.49 1.49,1.49, body extent -2.17,-2.17 2.17,2.17, height 0.89
MINI-CIRCUITS_GE0805C-1 [mm] "MINI-CIRCUITS GE0805C-1 Case, 0.66mm pitch; 6 pin, 2.01mm W X 1.24mm L"
  rect 1x0.34 smd: 1(-0.8,0.66) 2(-0.8,0) 3(-0.8,-0.66) 4(0.8,-0.66) 5(0.8,0) 6(0.8,0.66)
  Top region: 1.75,0.175 1.75,-0.175 -1.925,-0.175 -1.925,0.175
  Top region: 1.4,0.175 1.675,0.45 2.75,0.45 2.75,-0.45 1.675,-0.45 1.4,-0.175
  Top region: -1.4,-0.175 -1.675,-0.45 -2.75,-0.45 -2.75,0.45 -1.675,0.45 -1.4,0.175
  silkscreen extent -1.55,-1.17 1.55,1.7, body extent -0.6,-1 0.63,1, height 0.84
MINI-CIRCUITS_HV1195 [mm] "MINI-CIRCUITS HV1195 Case, 1.27mm pitch; 8 pin, 4.57mm W X 5.08mm L"
  rect 1.52x0.76 smd: 1(-2.265,1.905) 2(-2.265,0.635) 3(-2.265,-0.635) 4(-2.265,-1.905) 5(2.265,-1.905) 6(2.265,-0.635) 7(2.265,0.635) 8(2.265,1.905)
  Top region: -0.635,-2.285 -0.635,-1.015 -3.025,-1.015 -3.025,-0.255 -0.635,-0.255 -0.635,1.525 -3.025,1.525 -3.025,2.285 0.635,2.285 0.635,1.015 3.025,1.015 3.025,0.255 1.505,0.255 1.505,-0.255 3.025,-0.255 3.025,-1.015 1.505,-1.015 1.505,-1.525 3.025,-1.525 3.025,-2.285
  silkscreen extent -3.75,-2.59 2.54,2.59, body extent -2.54,-2.28 2.54,2.29, height 2.21
MINI-CIRCUITS_MC1630 [mm] "MINI-CIRCUITS MC1630 Case, 0.65mm pitch, 6 pin, 2mm X 2mm X 0.85mm H body (w/thermal tab 0.65 X 1.25mm)"
  rect 0.8x0.3 smd: 1(-0.95,0.65) 2(-0.95,0) 3(-0.95,-0.65) 4(0.95,-0.65) 5(0.95,0) 6(0.95,0.65)
  rect 0.15x0.15 smd: 7(-0.1,0.4)
  rect 0.65x0.95 smd: 7(0,-0.15)
  rect 0.35x0.3 smd: 7(0.15,0.475)
  Top region: -0.325,-0.625 0.325,-0.625 0.325,0.625 -0.025,0.625 -0.325,0.325
  silkscreen extent -1.74,-1.16 1.07,1.59, body extent -1.06,-1.06 1.06,1.06, height 0.85
MTG240_400#1 [mm] "Plated Through Hole: Hole Dia.=2.4mm Pad Dia.=4.0mm"
  round 3.5 hole 2.4: 1(0,0)
MTG240_400#2 [mm] "Plated Through Hole: Hole Dia.=2.4mm Pad Dia.=4.0mm"
  round 3.5 hole 2.4: 1(-0.229,-0.021)
MTG240_400#3 [mm] "Plated Through Hole: Hole Dia.=2.4mm Pad Dia.=4.0mm"
  round 3.5 hole 2.4: 1(-0.091,0.184)
MTG240_400#4 [mm] "Plated Through Hole: Hole Dia.=2.4mm Pad Dia.=4.0mm"
  round 3.5 hole 2.4: 1(-0.041,-0.116)
MTG240_400#5 [mm] "Plated Through Hole: Hole Dia.=2.4mm Pad Dia.=4.0mm"
  round 3.5 hole 2.4: 1(-0.104,-0.696)
MTG240_400#6 [mm] "Plated Through Hole: Hole Dia.=2.4mm Pad Dia.=4.0mm"
  round 3.5 hole 2.4: 1(0,-0.021)
OSC_KYOCERA_KT7050A [mm] "Oscillator KT7050A Series, 10 pins, 5x7mm"
  rect 1.8x0.75 smd: 1(-1.825,1.27)
  rect 1.3x0.75 smd: 2(-2.075,0) 3(-2.075,-1.27) 6(2.075,-1.27) 7(2.075,0) 8(2.075,1.27)
  rect 0.95x1.3 smd: 4(-1.27,-3.075) 5(1.27,-3.075) 9(1.27,3.075) 10(-1.27,3.075)
  silkscreen extent -3.5,-3.6 2.6,3.6, body extent -2.6,-3.6 2.6,3.6, height 1.7
PCB_CONN_0603M [mm] "Colder connection between boards - by 0603 0R jumper"
  rect 1x1 smd: 1(0,0)
  body extent 0.14,-0.47 1.89,0.48, height 0.55
PCB_CONN_1206M [mm] "Colder connection between boards - by 1206 0R jumper"
  rect 1.15x1.8 smd: 1(0,0)
  body extent -0.22,-0.87 3.13,0.88, height 0.65
QORVO_QPA2609 [mm] "QFN, 0.50mm Pitch, Square; 16 Pin, 4.00mm L X 4.00mm W X 0.9mm H Body (w/thermal Tab 2.75 X 2.75mm)"
  oval 0.8x0.3 smd: 1(-2,0.5) 2(-2,0) 3(-2,-0.5) 9(2,-0.5) 10(2,0) 11(2,0.5)
  oval 0.3x0.8 smd: 4(-1,-2) 5(-0.5,-2) 6(0,-2) 7(0.5,-2) 8(1,-2) 12(1,2) 13(0.5,2) 14(0,2) 15(-0.5,2) 16(-1,2)
  rect 0.537x1.15 smd: 17(-1.756,-1.45) 17(-1.756,1.45) 17(1.756,-1.45) 17(1.756,1.45)
  rect 2.976x0.475 smd: 17(0,-1.112) 17(0,1.112)
  rect 2.7x1.75 smd: 17(0,0)
  silkscreen extent -3.12,0.38 -2.87,0.62, body extent -2.02,-2.02 2.03,2.03, height 0.9
QORVO_TGA3042-SM [mm] "QFN, 0.566mm Pitch X, 0.525 Pitch Y, Square; 16 Pin, 4.5mm L X 4.5mm W X 1.74mm H Body"
  rect 0.675x0.3 smd: 1(-1.813,0.525) 3(-1.813,-0.525) 9(1.813,-0.525) 11(1.813,0.525)
  rect 0.45x0.3 smd: 2(-1.925,0) 10(1.925,0)
  rect 0.3x0.45 smd: 4(-1.132,-1.925) 5(-0.566,-1.925) 6(0,-1.925) 7(0.566,-1.925) 8(1.132,-1.925) 12(1.132,1.925) 13(0.566,1.925) 14(0,1.925) 15(-0.566,1.925) 16(-1.132,1.925)
  rect 2.95x2.384 smd: 17(0,0)
  silkscreen extent -2.82,-2.25 2.25,2.25, body extent -2.25,-2.25 2.25,2.25, height 1.91
RESC1005X40N [mm] "Chip Resistor, EIA 0402, Metric 1005, Body 1.0x0.5mm, IPC Medium Density"
  rect 0.58x0.62 smd: 1(-0.47,0) 2(0.47,0)
  body extent -0.52,-0.27 0.53,0.28, height 0.4
RESC1608X55N [mm] "Chip Resistor, EIA 0603, Metric 1608, Body 1.6x0.8mm, IPC Medium Density"
  rect 0.9x1 smd: 1(-0.8,0) 2(0.8,0)
  body extent -0.87,-0.47 0.88,0.48, height 0.55
RESC2012X60N [mm] "Chip Resistor, EIA 0805, Metric 2012, Body 2.0x1.2mm, IPC Medium Density"
  rect 0.95x1.4 smd: 1(-1,0) 2(1,0)
  silkscreen extent 0,-0.55 0,0.55, body extent -1.1,-0.67 1.1,0.68, height 0.6
RESC3216X65N [mm] "Chip Resistor, EIA 1206, Metric 3216, Body 3.2x1.6mm, IPC Medium Density"
  rect 1.15x1.8 smd: 1(-1.45,0) 2(1.45,0)
  silkscreen extent -0.5,-0.9 0.5,0.9, body extent -1.67,-0.87 1.68,0.88, height 0.65